# Altium PCB Axiom_Gamma_LSB.PcbDoc (part 3 of 4) (continued)
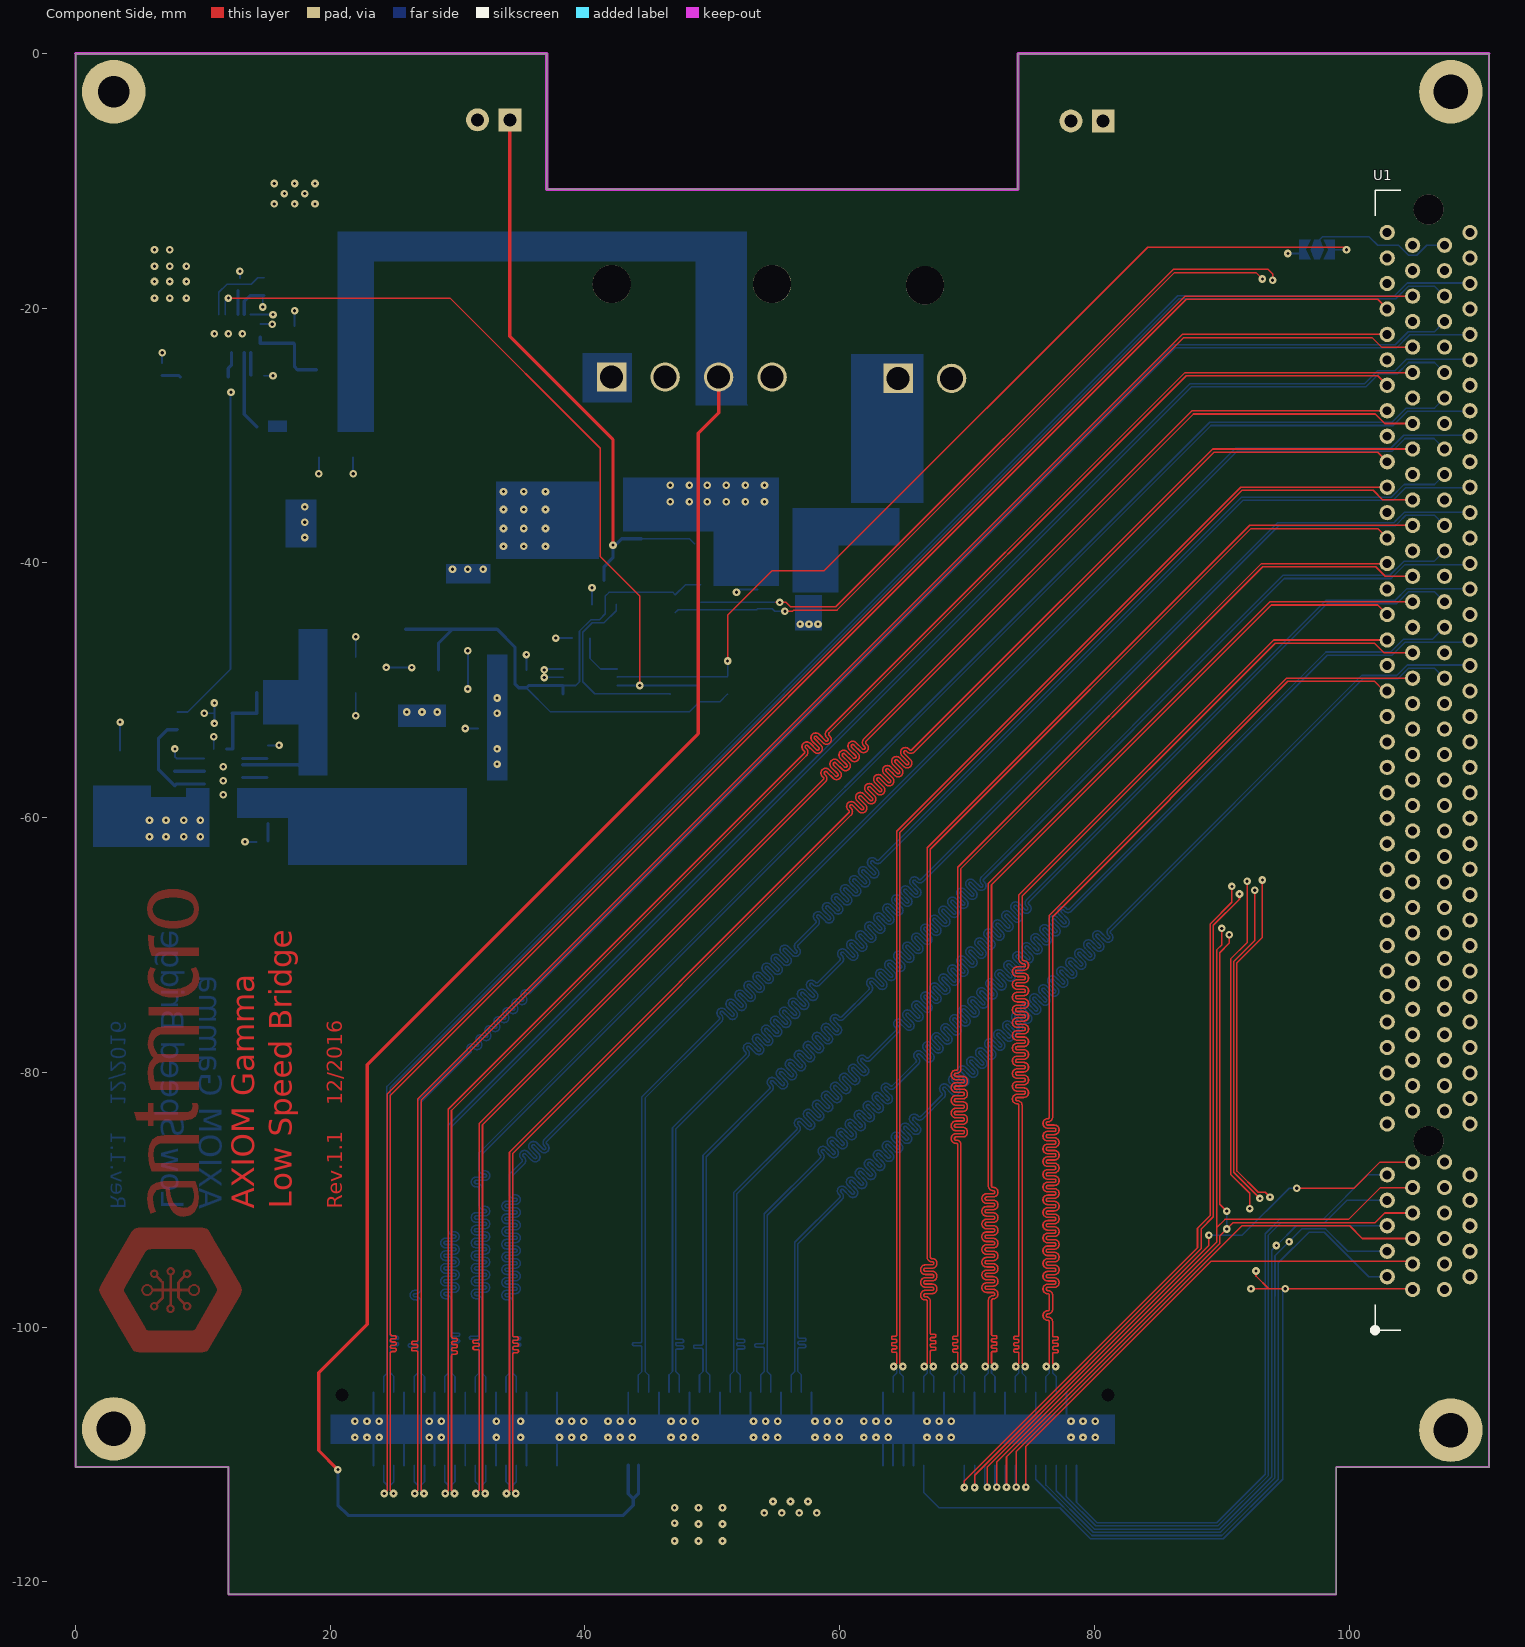
[diagram p0: Component Side view]
## Nets (pads, with @x,y where several pads share a name; then routed paths per layer and width w, separated by ;. In a path a pad name is that pad's centre, name@x,y a point inside that pad or via, vN(x,y) a via of type N, cw(c..) or ccw(c..) an arc to the next point about the centre after c; other vN are vias at no path point) (continued)
LSIOM_#TRST: J1.11 U1.A3 | length 41.4
  Component Side w0.125: v1(74.628,-112.572) 74.628,-109.372 89.162,-94.838 104.788,-94.838 U1.A3@105,-95.05
  Solder Side w0.125: v1@74.601,-112.545 J1.11@74.601,-110.865
LSIOM_LVDS_0_N: J1.117 U1.A77 | length 140.4
  Component Side w0.125: v1(24.236,-113.08) 24.473,-112.842 24.473,-102.3 24.473,-102.175 24.473,-102.05 24.473,-100.55 24.473,-97.2 24.473,-81.701 87.124,-19.05 102.25,-19.05 U1.A77@105,-19.05
  Solder Side w0.125: J1.117@24.198,-110.865 24.198,-112.143 24.473,-112.418 24.473,-112.842 v1(24.236,-113.08)
LSIOM_LVDS_0_P: J1.115 U1.A76 | length 140.4
  Component Side w0.125: v1(24.961,-113.08) 24.723,-112.843 24.723,-102.3 24.723,-102.175 24.723,-102.05 cw(c24.848,-102.05) 24.848,-101.925 25.056,-101.925 ccw(c25.056,-101.8) 25.181,-101.8 ccw(c25.056,-101.8) 25.056,-101.675 24.848,-101.675 cw(c24.848,-101.55) 24.723,-101.55 cw(c24.848,-101.55) 24.848,-101.425 25.056,-101.425 ccw(c25.056,-101.3) 25.181,-101.3 ccw(c25.056,-101.3) 25.056,-101.175 24.848,-101.175 cw(c24.848,-101.05) 24.723,-101.05 cw(c24.848,-101.05) 24.848,-100.925 25.056,-100.925 ccw(c25.056,-100.8) 25.181,-100.8 ccw(c25.056,-100.8) 25.056,-100.675 24.848,-100.675 cw(c24.848,-100.55) 24.723,-100.55 24.723,-97.2 24.723,-81.804 87.228,-19.3 102.25,-19.3 U1.A76@103,-20.05
  Solder Side w0.125: v1(24.961,-113.08) 24.723,-112.843 24.723,-112.418 24.998,-112.143 J1.115@24.998,-110.865
LSIOM_LVDS_1_N: J1.111 U1.A74 | length 136.1
  Component Side w0.125: v1(26.636,-113.08) 26.88,-112.836 26.88,-102 ccw(c26.755,-102) 26.755,-101.875 26.512,-101.875 cw(c26.512,-101.75) 26.387,-101.75 cw(c26.512,-101.75) 26.512,-101.625 26.755,-101.625 ccw(c26.755,-101.5) 26.88,-101.5 ccw(c26.755,-101.5) 26.755,-101.375 26.512,-101.375 cw(c26.512,-101.25) 26.387,-101.25 cw(c26.512,-101.25) 26.512,-101.125 26.755,-101.125 ccw(c26.755,-101) 26.88,-101 26.88,-82.088 86.918,-22.05 U1.A74@103,-22.05
  Solder Side w0.125: J1.111@26.598,-110.865 26.598,-112.143 26.873,-112.418 26.873,-112.842 v1(26.636,-113.08)
LSIOM_LVDS_1_P: J1.109 U1.A73 | length 136.4
  Component Side w0.125: v1(27.361,-113.08) 27.13,-112.849 27.13,-82.192 87.022,-22.3 101.806,-22.3 102.556,-23.05 U1.A73@105,-23.05
  Solder Side w0.125: v1(27.361,-113.08) 27.123,-112.843 27.123,-112.418 27.398,-112.143 J1.109@27.398,-110.865
LSIOM_LVDS_2_N: J1.105 U1.A71 | length 136.1
  Component Side w0.125: v1(29.036,-113.08) 29.273,-112.842 29.273,-102.5 29.273,-102.375 29.273,-102.25 29.273,-100.75 29.273,-99.8 29.273,-82.897 57.223,-54.947 ccw(c57.135,-54.859) 57.26,-54.859 ccw(c57.135,-54.859) 57.223,-54.77 57.153,-54.7 cw(c57.418,-54.435) 57.153,-54.169 cw(c57.418,-54.435) 57.683,-54.169 58.178,-54.664 ccw(c58.266,-54.576) 58.354,-54.665 ; 58.355,-54.664 ccw(c58.266,-54.576) 58.391,-54.576 ccw(c58.266,-54.576) 58.355,-54.488 57.86,-53.993 cw(c58.125,-53.727) 57.86,-53.462 cw(c58.125,-53.727) 58.39,-53.462 58.885,-53.958 ; 58.885,-53.957 ccw(c58.973,-53.869) 59.061,-53.958 ; 59.062,-53.957 ccw(c58.973,-53.869) 59.098,-53.869 ccw(c58.973,-53.869) 59.062,-53.78 58.991,-53.71 cw(c59.256,-53.445) 58.991,-53.179 87.12,-25.05 102.25,-25.05 U1.A71@105,-25.05
  Solder Side w0.125: J1.105@28.998,-110.865 28.998,-112.143 29.273,-112.418 29.273,-112.842 v1(29.036,-113.08)
LSIOM_LVDS_2_P: J1.103 U1.A70 | length 136.1
  Component Side w0.125: v1(29.761,-113.08) 29.523,-112.843 29.523,-102.5 29.523,-102.375 29.523,-102.25 cw(c29.648,-102.25) 29.648,-102.125 29.856,-102.125 ccw(c29.856,-102) 29.981,-102 ccw(c29.856,-102) 29.856,-101.875 29.648,-101.875 cw(c29.648,-101.75) 29.523,-101.75 cw(c29.648,-101.75) 29.648,-101.625 29.856,-101.625 ccw(c29.856,-101.5) 29.981,-101.5 ccw(c29.856,-101.5) 29.856,-101.375 29.648,-101.375 cw(c29.648,-101.25) 29.523,-101.25 cw(c29.648,-101.25) 29.648,-101.125 29.856,-101.125 ccw(c29.856,-101) 29.981,-101 ccw(c29.856,-101) 29.856,-100.875 29.648,-100.875 cw(c29.648,-100.75) 29.523,-100.75 29.523,-99.8 29.523,-83.001 57.4,-55.124 ccw(c57.135,-54.859) 57.51,-54.859 ccw(c57.135,-54.859) 57.4,-54.594 57.329,-54.523 cw(c57.418,-54.435) 57.329,-54.347 cw(c57.418,-54.435) 57.506,-54.346 ; 57.506,-54.346 58.001,-54.841 ccw(c58.266,-54.576) 58.531,-54.841 ccw(c58.266,-54.576) 58.641,-54.576 ccw(c58.266,-54.576) 58.531,-54.311 58.036,-53.816 cw(c58.125,-53.727) 58.036,-53.639 cw(c58.125,-53.727) 58.213,-53.639 58.708,-54.134 ccw(c58.973,-53.869) 59.238,-54.134 ccw(c58.973,-53.869) 59.348,-53.869 ccw(c58.973,-53.869) 59.238,-53.604 59.168,-53.533 cw(c59.256,-53.445) 59.168,-53.356 87.224,-25.3 102.25,-25.3 U1.A70@103,-26.05
  Solder Side w0.125: v1(29.761,-113.08) 29.523,-112.843 29.523,-112.418 29.798,-112.143 J1.103@29.798,-110.865
LSIOM_LVDS_3_N: J1.99 U1.A68 | length 135.6
  Component Side w0.125: v1(31.436,-113.08) 31.706,-112.81 31.706,-101.9 ccw(c31.581,-101.9) 31.581,-101.775 31.325,-101.775 cw(c31.325,-101.65) 31.2,-101.65 cw(c31.325,-101.65) 31.325,-101.525 31.581,-101.525 ccw(c31.581,-101.4) 31.706,-101.4 ccw(c31.581,-101.4) 31.581,-101.275 31.325,-101.275 cw(c31.325,-101.15) 31.2,-101.15 cw(c31.325,-101.15) 31.325,-101.025 31.581,-101.025 ccw(c31.581,-100.9) 31.706,-100.9 31.706,-100.5 31.706,-84.02 58.713,-57.013 ccw(c58.625,-56.925) 58.75,-56.925 ccw(c58.625,-56.925) 58.713,-56.836 58.643,-56.766 cw(c58.908,-56.501) 58.643,-56.235 cw(c58.908,-56.501) 59.173,-56.235 59.668,-56.73 ccw(c59.756,-56.642) 59.844,-56.731 ; 59.845,-56.73 ccw(c59.756,-56.642) 59.881,-56.642 ccw(c59.756,-56.642) 59.845,-56.554 59.35,-56.059 cw(c59.615,-55.793) 59.35,-55.528 cw(c59.615,-55.793) 59.88,-55.528 60.375,-56.023 ; 60.375,-56.023 ccw(c60.463,-55.935) 60.551,-56.024 ; 60.552,-56.023 ccw(c60.463,-55.935) 60.588,-55.935 ccw(c60.463,-55.935) 60.552,-55.846 60.057,-55.352 cw(c60.322,-55.086) 60.057,-54.821 cw(c60.322,-55.086) 60.587,-54.821 61.082,-55.316 ; 61.082,-55.316 ccw(c61.17,-55.228) 61.258,-55.317 ; 61.259,-55.316 ccw(c61.17,-55.228) 61.295,-55.228 ccw(c61.17,-55.228) 61.259,-55.139 60.764,-54.644 cw(c61.029,-54.379) 60.764,-54.114 cw(c61.029,-54.379) 61.294,-54.114 61.789,-54.609 ccw(c61.878,-54.521) 61.966,-54.609 ccw(c61.878,-54.521) 62.003,-54.521 ccw(c61.878,-54.521) 61.966,-54.432 61.895,-54.362 cw(c62.16,-54.096) 61.895,-53.831 87.676,-28.05 102.06,-28.05 U1.A68@103,-28.05 U1.A68@102.806,-28.244
  Solder Side w0.125: J1.99@31.398,-110.865 31.398,-112.143 31.673,-112.418 31.673,-112.842 v1(31.436,-113.08)
LSIOM_LVDS_3_P: J1.97 U1.A67 | length 135.6
  Component Side w0.125: v1(32.161,-113.08) 31.956,-112.875 31.956,-101.9 31.956,-100.9 31.956,-100.5 31.956,-84.124 58.89,-57.19 ccw(c58.625,-56.925) 59,-56.925 ccw(c58.625,-56.925) 58.89,-56.66 58.819,-56.589 cw(c58.908,-56.501) 58.819,-56.413 ; 58.819,-56.412 cw(c58.908,-56.501) 58.996,-56.412 ; 58.996,-56.412 59.491,-56.907 ccw(c59.756,-56.642) 60.021,-56.907 ccw(c59.756,-56.642) 60.131,-56.642 ccw(c59.756,-56.642) 60.021,-56.377 59.526,-55.882 cw(c59.615,-55.793) 59.526,-55.705 cw(c59.615,-55.793) 59.703,-55.705 ; 59.703,-55.705 60.198,-56.2 ccw(c60.463,-55.935) 60.728,-56.2 ccw(c60.463,-55.935) 60.838,-55.935 ccw(c60.463,-55.935) 60.728,-55.67 60.233,-55.174 cw(c60.322,-55.086) 60.233,-54.998 cw(c60.322,-55.086) 60.41,-54.998 60.905,-55.493 ccw(c61.17,-55.228) 61.436,-55.493 ccw(c61.17,-55.228) 61.545,-55.228 ccw(c61.17,-55.228) 61.436,-54.963 60.94,-54.467 cw(c61.029,-54.379) 60.94,-54.291 ; 60.941,-54.291 cw(c61.029,-54.379) 61.117,-54.291 61.612,-54.786 ccw(c61.878,-54.521) 62.143,-54.786 ccw(c61.878,-54.521) 62.253,-54.521 ccw(c61.878,-54.521) 62.143,-54.255 62.072,-54.185 cw(c62.16,-54.096) 62.072,-54.008 87.78,-28.3 102.06,-28.3 102.81,-29.05 U1.A67@105,-29.05
  Solder Side w0.125: v1(32.161,-113.08) 31.923,-112.843 31.923,-112.418 32.198,-112.143 J1.97@32.198,-110.865
LSIOM_LVDS_4_SSCLK_N: J1.93 U1.A65 | length 135.7
  Component Side w0.125: v1(33.836,-113.08) 34.073,-112.842 34.073,-102.4 34.073,-102.275 34.073,-102.15 34.073,-100.65 34.073,-98.8 34.073,-86.273 60.723,-59.623 ccw(c60.635,-59.535) 60.76,-59.535 ccw(c60.635,-59.535) 60.723,-59.446 60.653,-59.376 cw(c60.918,-59.111) 60.653,-58.845 cw(c60.918,-59.111) 61.183,-58.845 61.678,-59.34 ccw(c61.766,-59.252) 61.854,-59.341 ccw(c61.766,-59.252) 61.891,-59.252 ccw(c61.766,-59.252) 61.855,-59.164 ; 61.855,-59.164 61.36,-58.669 cw(c61.625,-58.403) 61.36,-58.138 cw(c61.625,-58.403) 61.89,-58.138 62.385,-58.633 ; 62.385,-58.633 ccw(c62.473,-58.545) 62.561,-58.634 ; 62.562,-58.633 ccw(c62.473,-58.545) 62.598,-58.545 ccw(c62.473,-58.545) 62.562,-58.456 62.067,-57.962 cw(c62.332,-57.696) 62.067,-57.431 cw(c62.332,-57.696) 62.597,-57.431 63.092,-57.926 ccw(c63.18,-57.838) 63.268,-57.927 ; 63.269,-57.926 ccw(c63.18,-57.838) 63.305,-57.838 ccw(c63.18,-57.838) 63.269,-57.749 62.774,-57.254 cw(c63.039,-56.989) 62.774,-56.724 cw(c63.039,-56.989) 63.304,-56.724 63.799,-57.219 ccw(c63.888,-57.131) 63.976,-57.219 ; 63.976,-57.219 ccw(c63.888,-57.131) 64.013,-57.131 ccw(c63.888,-57.131) 63.976,-57.042 63.481,-56.547 cw(c63.746,-56.282) 63.481,-56.017 cw(c63.746,-56.282) 64.011,-56.017 64.506,-56.512 ; 64.507,-56.512 ccw(c64.595,-56.424) 64.683,-56.512 ccw(c64.595,-56.424) 64.72,-56.424 ccw(c64.595,-56.424) 64.683,-56.335 64.188,-55.84 cw(c64.453,-55.575) 64.188,-55.31 cw(c64.453,-55.575) 64.718,-55.31 65.213,-55.805 ccw(c65.302,-55.716) 65.39,-55.805 ; 65.39,-55.805 ccw(c65.302,-55.716) 65.427,-55.716 ccw(c65.302,-55.716) 65.39,-55.628 ; 65.39,-55.628 64.895,-55.133 cw(c65.16,-54.868) 64.895,-54.603 cw(c65.16,-54.868) 65.426,-54.603 65.496,-54.673 ccw(c65.585,-54.585) 65.673,-54.673 89.296,-31.05 102.25,-31.05 U1.A65@105,-31.05
  Solder Side w0.125: J1.93@33.798,-110.865 33.798,-112.143 34.073,-112.418 34.073,-112.842 v1(33.836,-113.08)
LSIOM_LVDS_4_SSCLK_P: J1.91 U1.A64 | length 135.7
  Component Side w0.125: v1(34.561,-113.08) 34.323,-112.843 34.323,-102.4 34.323,-102.275 34.323,-102.15 cw(c34.448,-102.15) 34.448,-102.025 34.656,-102.025 ccw(c34.656,-101.9) 34.781,-101.9 ccw(c34.656,-101.9) 34.656,-101.775 34.448,-101.775 cw(c34.448,-101.65) 34.323,-101.65 cw(c34.448,-101.65) 34.448,-101.525 34.656,-101.525 ccw(c34.656,-101.4) 34.781,-101.4 ccw(c34.656,-101.4) 34.656,-101.275 34.448,-101.275 cw(c34.448,-101.15) 34.323,-101.15 cw(c34.448,-101.15) 34.448,-101.025 34.656,-101.025 ccw(c34.656,-100.9) 34.781,-100.9 ccw(c34.656,-100.9) 34.656,-100.775 34.448,-100.775 cw(c34.448,-100.65) 34.323,-100.65 34.323,-98.8 34.323,-86.377 60.9,-59.8 ccw(c60.635,-59.535) 61.01,-59.535 ccw(c60.635,-59.535) 60.9,-59.27 60.829,-59.199 cw(c60.918,-59.111) 60.829,-59.023 cw(c60.918,-59.111) 61.006,-59.022 ; 61.006,-59.022 61.501,-59.517 ccw(c61.766,-59.252) 62.031,-59.517 ccw(c61.766,-59.252) 62.141,-59.252 ccw(c61.766,-59.252) 62.031,-58.987 61.536,-58.492 cw(c61.625,-58.403) 61.536,-58.315 cw(c61.625,-58.403) 61.713,-58.315 62.208,-58.81 ccw(c62.473,-58.545) 62.738,-58.81 ccw(c62.473,-58.545) 62.848,-58.545 ccw(c62.473,-58.545) 62.738,-58.28 62.243,-57.784 ; 62.243,-57.608 ccw(c62.332,-57.696) 62.244,-57.785 ; 62.244,-57.608 cw(c62.332,-57.696) 62.42,-57.608 62.915,-58.103 ccw(c63.18,-57.838) 63.446,-58.103 ccw(c63.18,-57.838) 63.555,-57.838 ccw(c63.18,-57.838) 63.446,-57.573 62.95,-57.077 cw(c63.039,-56.989) 62.95,-56.901 ; 62.951,-56.901 cw(c63.039,-56.989) 63.127,-56.901 63.622,-57.396 ccw(c63.888,-57.131) 64.153,-57.396 ccw(c63.888,-57.131) 64.263,-57.131 ccw(c63.888,-57.131) 64.153,-56.865 63.658,-56.37 ; 63.658,-56.37 cw(c63.746,-56.282) 63.658,-56.194 cw(c63.746,-56.282) 63.834,-56.193 64.082,-56.441 64.33,-56.689 ccw(c64.595,-56.424) 64.86,-56.689 ccw(c64.595,-56.424) 64.97,-56.424 ccw(c64.595,-56.424) 64.86,-56.158 64.365,-55.663 cw(c64.453,-55.575) 64.364,-55.487 cw(c64.453,-55.575) 64.542,-55.487 ; 64.541,-55.486 65.037,-55.982 ccw(c65.302,-55.716) 65.567,-55.982 ccw(c65.302,-55.716) 65.677,-55.716 ccw(c65.302,-55.716) 65.567,-55.451 65.072,-54.956 cw(c65.16,-54.868) 65.072,-54.78 ; 65.072,-54.779 cw(c65.16,-54.868) 65.249,-54.779 65.319,-54.85 ccw(c65.585,-54.585) 65.85,-54.85 89.4,-31.3 102.25,-31.3 U1.A64@103,-32.05
  Solder Side w0.125: v1(34.561,-113.08) 34.323,-112.843 34.323,-112.418 34.598,-112.143 J1.91@34.598,-110.865
LSIOM_LVDS_5_N: J1.38 U1.A62 | length 96
  Component Side w0.125: v1(64.239,-103.1) 64.476,-102.862 64.476,-102.1 64.476,-102.062 ccw(c64.389,-102.062) 64.389,-101.975 64.173,-101.975 cw(c64.173,-101.887) 64.085,-101.887 64.085,-101.812 cw(c64.173,-101.812) 64.173,-101.725 64.389,-101.725 ccw(c64.389,-101.637) 64.476,-101.637 64.476,-101.562 ccw(c64.389,-101.562) 64.389,-101.475 64.173,-101.475 cw(c64.173,-101.387) 64.085,-101.387 64.085,-101.312 cw(c64.173,-101.312) 64.173,-101.225 64.389,-101.225 ccw(c64.389,-101.137) 64.476,-101.137 64.476,-101.062 ccw(c64.389,-101.062) 64.389,-100.975 64.173,-100.975 cw(c64.173,-100.887) 64.085,-100.887 64.085,-100.812 cw(c64.173,-100.812) 64.173,-100.725 64.389,-100.725 ccw(c64.389,-100.637) 64.476,-100.637 64.476,-98.9 64.476,-61.07 91.496,-34.05 U1.A62@103,-34.05
  Solder Side w0.125: J1.38@64.201,-105.135 64.201,-103.893 64.476,-103.618 64.476,-103.3 64.276,-103.1 v1(64.239,-103.1)
LSIOM_LVDS_5_P: J1.36 U1.A61 | length 96
  Component Side w0.125: v1(64.964,-103.1) 64.726,-102.863 64.726,-102.1 64.726,-102.062 64.726,-61.174 91.6,-34.3 101.9,-34.3 102.65,-35.05 U1.A61@105,-35.05
  Solder Side w0.125: v1(64.964,-103.1) 64.926,-103.1 64.726,-103.3 64.726,-103.618 65.001,-103.893 J1.36@65.001,-105.135
LSIOM_LVDS_6_N: J1.32 U1.A59 | length 96.4
  Component Side w0.125: v1(66.639,-103.1) 66.876,-102.862 66.876,-100.487 66.876,-98.8 66.876,-97.975 ccw(c66.776,-97.975) 66.776,-97.875 66.718,-97.875 cw(c66.718,-97.525) 66.368,-97.525 66.368,-97.475 cw(c66.718,-97.475) 66.718,-97.125 67.284,-97.125 ccw(c67.284,-97.025) 67.384,-97.025 67.384,-96.975 ccw(c67.284,-96.975) 67.284,-96.875 66.718,-96.875 cw(c66.718,-96.525) 66.368,-96.525 66.368,-96.475 cw(c66.718,-96.475) 66.718,-96.125 67.284,-96.125 ccw(c67.284,-96.025) 67.384,-96.025 67.384,-95.975 ccw(c67.284,-95.975) 67.284,-95.875 66.718,-95.875 cw(c66.718,-95.525) 66.368,-95.525 66.368,-95.475 cw(c66.718,-95.475) 66.718,-95.125 67.284,-95.125 ccw(c67.284,-95.025) 67.384,-95.025 67.384,-94.975 ccw(c67.284,-94.975) 67.284,-94.875 67.226,-94.875 cw(c67.226,-94.525) 66.876,-94.525 66.876,-62.37 92.196,-37.05 102.354,-37.05 U1.A59@105,-37.05
  Solder Side w0.125: J1.32@66.601,-105.135 66.601,-103.893 66.876,-103.618 66.876,-103.337 v1(66.639,-103.1)
LSIOM_LVDS_6_P: J1.30 U1.A58 | length 96.4
  Component Side w0.125: v1(67.364,-103.1) 67.126,-102.863 67.126,-102.2 67.126,-102.075 67.126,-101.912 cw(c67.214,-101.912) 67.214,-101.825 67.465,-101.825 ccw(c67.465,-101.737) 67.552,-101.737 67.552,-101.662 ccw(c67.465,-101.662) 67.465,-101.575 67.214,-101.575 cw(c67.214,-101.487) 67.126,-101.487 67.126,-101.412 cw(c67.214,-101.412) 67.214,-101.325 67.465,-101.325 ccw(c67.465,-101.237) 67.552,-101.237 67.552,-101.162 ccw(c67.465,-101.162) 67.465,-101.075 67.214,-101.075 cw(c67.214,-100.987) 67.126,-100.987 67.126,-100.912 cw(c67.214,-100.912) 67.214,-100.825 67.465,-100.825 ccw(c67.465,-100.737) 67.552,-100.737 67.552,-100.662 ccw(c67.465,-100.662) 67.465,-100.575 67.214,-100.575 cw(c67.214,-100.487) 67.126,-100.487 67.126,-98.8 67.126,-97.975 ccw(c66.776,-97.975) 66.776,-97.625 66.718,-97.625 cw(c66.718,-97.525) 66.618,-97.525 66.618,-97.475 cw(c66.718,-97.475) 66.718,-97.375 67.284,-97.375 ccw(c67.284,-97.025) 67.634,-97.025 67.634,-96.975 ccw(c67.284,-96.975) 67.284,-96.625 66.718,-96.625 cw(c66.718,-96.525) 66.618,-96.525 66.618,-96.475 cw(c66.718,-96.475) 66.718,-96.375 67.284,-96.375 ccw(c67.284,-96.025) 67.634,-96.025 67.634,-95.975 ccw(c67.284,-95.975) 67.284,-95.625 66.718,-95.625 cw(c66.718,-95.525) 66.618,-95.525 66.618,-95.475 cw(c66.718,-95.475) 66.718,-95.375 67.284,-95.375 ccw(c67.284,-95.025) 67.634,-95.025 67.634,-94.975 ccw(c67.284,-94.975) 67.284,-94.625 67.226,-94.625 cw(c67.226,-94.525) 67.126,-94.525 67.126,-62.474 92.3,-37.3 102.25,-37.3 U1.A58@103,-38.05
  Solder Side w0.125: v1(67.364,-103.1) 67.126,-103.337 67.126,-103.618 67.401,-103.893 J1.30@67.401,-105.135
LSIOM_LVDS_7_N: J1.20 U1.A53 | length 96.2
  Component Side w0.125: v1(71.439,-103.1) 71.676,-102.862 71.676,-100.587 71.676,-98.6 71.676,-97.912 cw(c72.051,-97.912) 72.051,-97.537 ; 72.051,-89.287 cw(c72.051,-88.912) 71.676,-88.912 71.676,-65.17 93.796,-43.05 102.25,-43.05 U1.A53@105,-43.05 ; 72.059,-97.537 ccw(c72.059,-97.412) 72.184,-97.412 ccw(c72.059,-97.412) 72.059,-97.287 71.543,-97.287 cw(c71.543,-96.912) 71.168,-96.912 cw(c71.543,-96.912) 71.543,-96.537 72.059,-96.537 ccw(c72.059,-96.412) 72.184,-96.412 ccw(c72.059,-96.412) 72.059,-96.287 71.543,-96.287 cw(c71.543,-95.912) 71.168,-95.912 cw(c71.543,-95.912) 71.543,-95.537 72.059,-95.537 ccw(c72.059,-95.412) 72.184,-95.412 ccw(c72.059,-95.412) 72.059,-95.287 71.543,-95.287 cw(c71.543,-94.912) 71.168,-94.912 cw(c71.543,-94.912) 71.543,-94.537 72.059,-94.537 ccw(c72.059,-94.412) 72.184,-94.412 ccw(c72.059,-94.412) 72.059,-94.287 71.543,-94.287 cw(c71.543,-93.912) 71.168,-93.912 cw(c71.543,-93.912) 71.543,-93.537 72.059,-93.537 ccw(c72.059,-93.412) 72.184,-93.412 ccw(c72.059,-93.412) 72.059,-93.287 71.543,-93.287 cw(c71.543,-92.912) 71.168,-92.912 cw(c71.543,-92.912) 71.543,-92.537 72.059,-92.537 ccw(c72.059,-92.412) 72.184,-92.412 ccw(c72.059,-92.412) 72.059,-92.287 71.543,-92.287 cw(c71.543,-91.912) 71.168,-91.912 cw(c71.543,-91.912) 71.543,-91.537 72.059,-91.537 ccw(c72.059,-91.412) 72.184,-91.412 ccw(c72.059,-91.412) 72.059,-91.287 71.543,-91.287 cw(c71.543,-90.912) 71.168,-90.912 cw(c71.543,-90.912) 71.543,-90.537 72.059,-90.537 ccw(c72.059,-90.412) 72.184,-90.412 ccw(c72.059,-90.412) 72.059,-90.287 71.543,-90.287 cw(c71.543,-89.912) 71.168,-89.912 cw(c71.543,-89.912) 71.543,-89.537 72.059,-89.537 ccw(c72.059,-89.412) 72.184,-89.412 ccw(c72.059,-89.412) 72.059,-89.287
  Solder Side w0.125: J1.20@71.401,-105.135 71.401,-103.893 71.676,-103.618 71.676,-103.3 71.476,-103.1 v1(71.439,-103.1)
LSIOM_LVDS_7_P: J1.18 U1.A52 | length 96.2
  Component Side w0.125: 72.051,-97.787 ccw(c72.051,-97.912) 71.926,-97.912 71.926,-98.6 71.926,-100.587 ccw(c72.014,-100.587) 72.014,-100.675 72.265,-100.675 cw(c72.265,-100.762) 72.352,-100.762 72.352,-100.837 cw(c72.265,-100.837) 72.265,-100.925 72.014,-100.925 ccw(c72.014,-101.012) 71.926,-101.012 71.926,-101.087 ccw(c72.014,-101.087) 72.014,-101.175 72.265,-101.175 cw(c72.265,-101.262) 72.352,-101.262 72.352,-101.337 cw(c72.265,-101.337) 72.265,-101.425 72.014,-101.425 ccw(c72.014,-101.512) 71.926,-101.512 71.926,-101.587 ccw(c72.014,-101.587) 72.014,-101.675 72.265,-101.675 cw(c72.265,-101.762) 72.352,-101.762 72.352,-101.837 cw(c72.265,-101.837) 72.265,-101.925 72.014,-101.925 ccw(c72.014,-102.012) 71.926,-102.012 71.926,-102.175 71.926,-102.3 71.926,-102.863 v1(72.164,-103.1) ; 72.051,-89.037 cw(c72.051,-88.912) 71.926,-88.912 71.926,-65.274 93.9,-43.3 102.25,-43.3 U1.A52@103,-44.05 ; 72.059,-97.787 ccw(c72.059,-97.412) 72.434,-97.412 ccw(c72.059,-97.412) 72.059,-97.037 71.543,-97.037 cw(c71.543,-96.912) 71.418,-96.912 cw(c71.543,-96.912) 71.543,-96.787 72.059,-96.787 ccw(c72.059,-96.412) 72.434,-96.412 ccw(c72.059,-96.412) 72.059,-96.037 71.543,-96.037 cw(c71.543,-95.912) 71.418,-95.912 cw(c71.543,-95.912) 71.543,-95.787 72.059,-95.787 ccw(c72.059,-95.412) 72.434,-95.412 ccw(c72.059,-95.412) 72.059,-95.037 71.543,-95.037 cw(c71.543,-94.912) 71.418,-94.912 cw(c71.543,-94.912) 71.543,-94.787 72.059,-94.787 ccw(c72.059,-94.412) 72.434,-94.412 ccw(c72.059,-94.412) 72.059,-94.037 71.543,-94.037 cw(c71.543,-93.912) 71.418,-93.912 cw(c71.543,-93.912) 71.543,-93.787 72.059,-93.787 ccw(c72.059,-93.412) 72.434,-93.412 ccw(c72.059,-93.412) 72.059,-93.037 71.543,-93.037 cw(c71.543,-92.912) 71.418,-92.912 cw(c71.543,-92.912) 71.543,-92.787 72.059,-92.787 ccw(c72.059,-92.412) 72.434,-92.412 ccw(c72.059,-92.412) 72.059,-92.037 71.543,-92.037 cw(c71.543,-91.912) 71.418,-91.912 cw(c71.543,-91.912) 71.543,-91.787 72.059,-91.787 ccw(c72.059,-91.412) 72.434,-91.412 ccw(c72.059,-91.412) 72.059,-91.037 71.543,-91.037 cw(c71.543,-90.912) 71.418,-90.912 cw(c71.543,-90.912) 71.543,-90.787 72.059,-90.787 ccw(c72.059,-90.412) 72.434,-90.412 ccw(c72.059,-90.412) 72.059,-90.037 71.543,-90.037 cw(c71.543,-89.912) 71.418,-89.912 cw(c71.543,-89.912) 71.543,-89.787 72.059,-89.787 ccw(c72.059,-89.412) 72.434,-89.412 ccw(c72.059,-89.412) 72.059,-89.037
  Solder Side w0.125: v1(72.164,-103.1) 72.126,-103.1 71.926,-103.3 71.926,-103.618 72.201,-103.893 J1.18@72.201,-105.135